# Altium PCB PCB_ControlCard.PcbDoc (part 4 of 4)
Units mm, origin at the board's own origin, x right, y up, seen from the top; angles counter-clockwise.
Board outline 116 x 133 mm, 4 copper layers (Top Layer, Inner 1, Inner 2, Bottom Layer), stack 1.492 mm thick; 342 components, 234 nets, 1133 pads, 996 vias.
Unrouted connection lines stored in the file: 23.
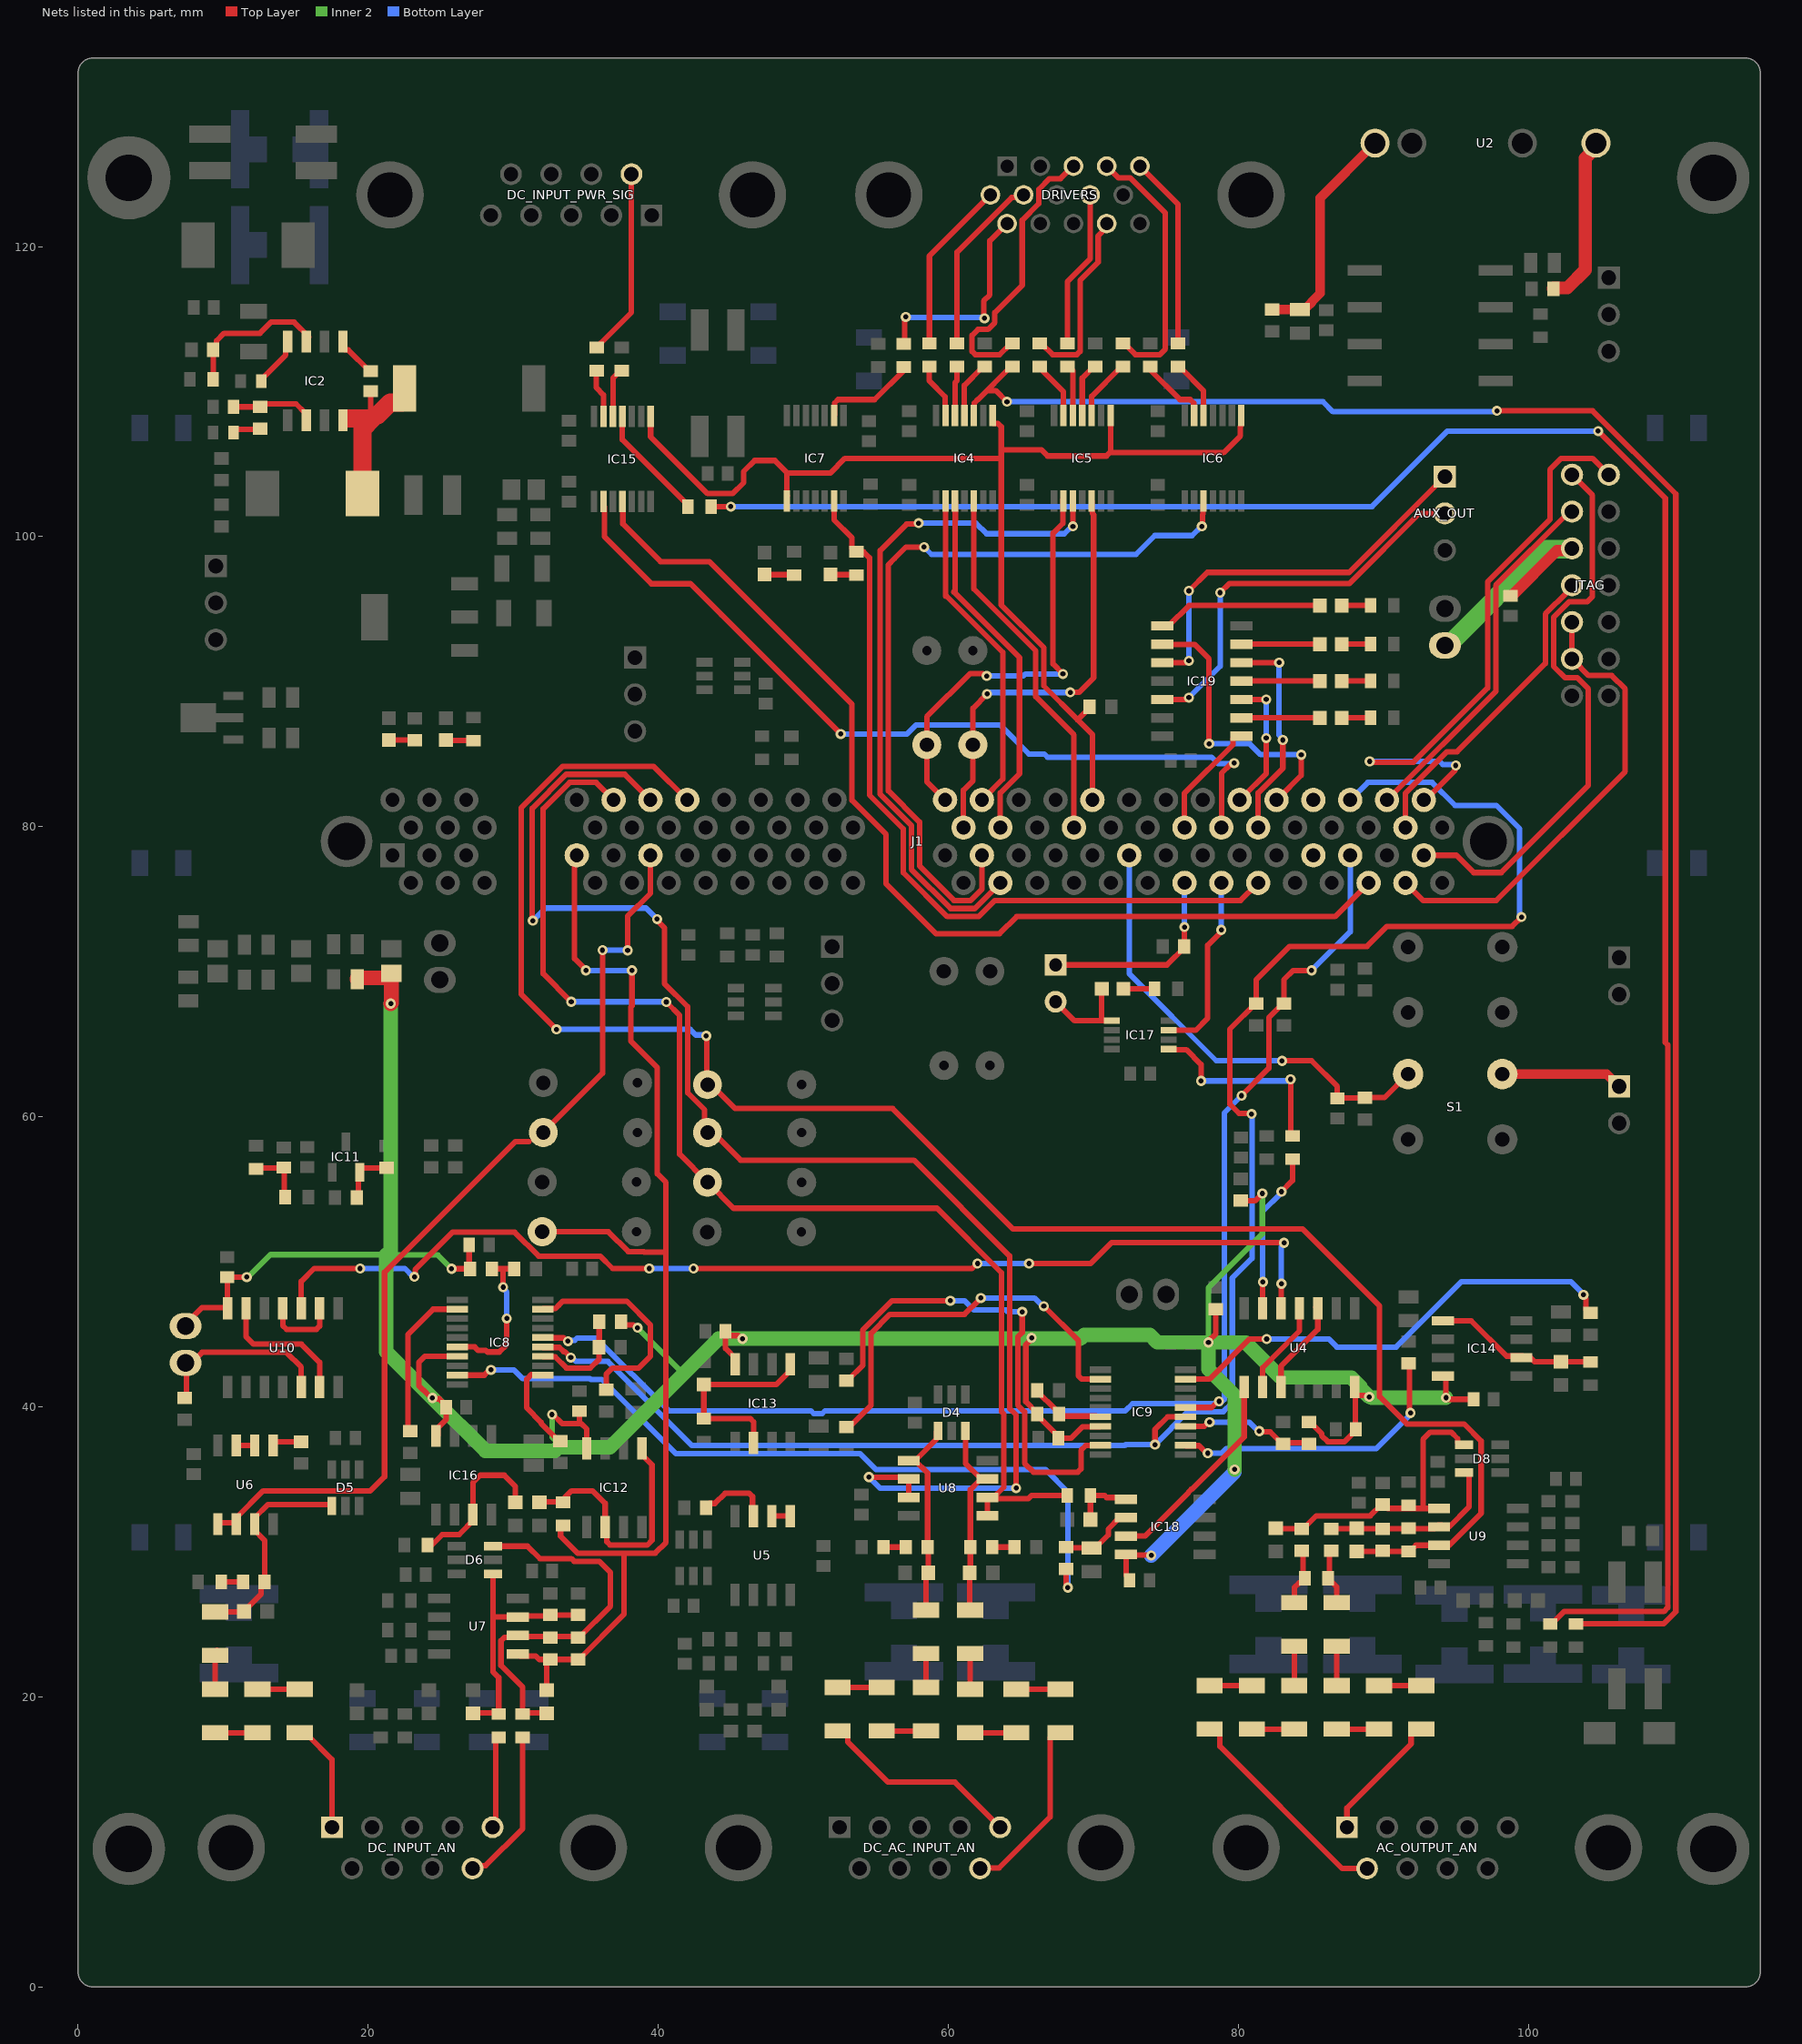
[diagram p6: the nets of this part, all layers, seen from the top]

## Via types
v1: diameter 0.75, hole 0.35, Top Layer to Bottom Layer, tented top, 338 vias
v2: diameter 0.7, hole 0.35, Top Layer to Bottom Layer, tented top, 333 vias
v3: diameter 0.7, hole 0.35, Top Layer to Bottom Layer, tented both sides, 325 vias

## Nets (pads, with @x,y where several pads share a name; then routed paths per layer and width w, separated by ;. In a path a pad name is that pad's centre, name@x,y a point inside that pad or via, vN(x,y) a via of type N, cw(c..) or ccw(c..) an arc to the next point about the centre after c; other vN are vias at no path point) (continued)
IL1: C23.2 J1.7 R31.1 R33.1 R48.1 TP_IL1.1 U7.1 | length 85
  Top Layer w0.381: U7.1@30.318,22.955 30.453,22.821 31.551,22.821 31.797,22.574 R31.1@32.528,22.574 ; TP_IL1.1@32,52.07 36.565,52.07 37.933,50.702 39.008,50.702 39.036,50.673 40.532,50.673 ; C23.2@32.305,20.58 32.305,22.351 R31.1@32.528,22.574 ; R48.1@33.267,31.848 33.267,31.074 34.438,29.903 37.639,29.903 ; J1.7@34.384,78.029 34.235,77.88 34.235,70.904 35.02,70.12 v2(35.02,70.088) ; R33.1@34.464,22.574 R31.1@32.528,22.574 ; R33.1@34.464,22.586 34.539,22.586 37.639,25.686 37.639,29.903 ; v2(38.195,70.088) 38.195,67.644 38.119,67.568 38.119,65.211 39.944,63.386 39.944,56.06 40.532,55.472 40.532,50.673 ; 37.639,29.903 39.793,29.903 40.532,30.642 40.532,50.673
  Bottom Layer w0.381: v2(35.02,70.088) v2(38.195,70.088)
IL1+_AO+: C26.2 D6.1 R34.1 R35.1 R36.1 U7.3 | length 17.7
  Top Layer w0.381: C26.2@27.098,18.891 28.914,18.891 R34.1@29.003,18.802 29.003,21.328 28.602,21.729 28.602,25.495 28.602,25.642 ; D6.1@28.602,28.482 28.602,25.642 ; R35.1@32.559,25.565 30.388,25.565 U7.3@30.318,25.495 28.749,25.495 28.602,25.642 ; R35.1@32.559,25.634 R36.1@34.464,25.634
IL1+_SNS: DC_INPUT_AN.5 R34.2 | length 6.6
  Top Layer w0.381: DC_INPUT_AN.5@28.58,11 28.792,11.212 28.792,17.029 R34.2@29.13,17.367
IL1-_AO-: C23.1 D6.3 R31.2 R32.1 R33.2 U7.2 | length 27.1
  Top Layer w0.381: D6.3@28.749,30.448 28.815,30.382 30.991,30.382 31.84,29.533 34.017,29.533 34.206,29.345 35.936,29.345 36.706,28.574 36.706,26.253 34.539,24.086 R33.2@34.464,24.086 ; U7.2@30.146,24.352 29.884,24.091 29.384,24.091 29.161,23.867 29.161,22.159 30.654,20.666 R32.1@30.654,18.802 30.743,18.891 C23.1@32.432,18.891 ; U7.2@30.318,24.225 30.388,24.156 32.559,24.156 R33.2@34.464,24.156
IL1-_SNS: DC_INPUT_AN.9 R32.2 | length 10.9
  Top Layer w0.381: DC_INPUT_AN.9@27.195,8.16 27.391,8.356 28.106,8.356 30.654,10.904 R32.2@30.654,17.202
INT_3V3: C19.1 C24.1 C27.1 C34.1 C46.2 C56.1 C59.1 C60.1 C74.1 C79.2 IC8.17 IC9.17 IC12.8 IC13.8 IC14.8 IC16.8 IC18.8 J_INT.1 L5.2 R61.1 R69.1 R70.1 R71.1 R72.1 R74.1 U4.14 U10.14 | length 219.6
  Top Layer w0.381: J_INT.1@7.413,45.561 7.413,45.71 8.55,46.847 10.293,46.847 10.293,46.794 U10.14@10.306,46.781 10.306,47.219 10.293,47.231 10.293,48.892 10.341,48.939 10.347,48.932 11.623,48.932 v2(11.629,48.939) ; IC16.8@24.784,37.986 24.82,38.022 24.82,38.558 25.391,39.13 25.391,39.778 C24.1@25.574,39.961 ; C24.1@25.392,39.973 25.392,40.063 24.908,40.547 24.492,40.547 v2(24.431,40.608) 24.345,40.608 23.791,41.161 23.776,41.161 23.507,41.431 23.507,43.081 23.901,43.475 IC8.17@26.164,43.475 ; v2(25.749,49.514) R70.1@26.892,49.514 ; R70.1@26.964,49.581 C59.1@26.964,51.165 ; v2(32.686,39.465) 32.751,39.465 33.37,38.846 34.69,38.846 35.071,38.465 IC12.8@35.071,37.144 ; 34.563,38.846 C27.1@34.563,39.696 ; R69.1@37.446,45.856 37.669,45.633 v2@38.307,45.633 ; C34.1@44.651,45.212 C34.1@44.651,45.122 ; IC13.8@45.358,42.926 45.358,43.322 44.651,44.029 C34.1@44.651,45.122 ; 45.509,44.907 44.866,44.907 C34.1@44.651,45.122 ; v2(65.75,44.75) 65.75,44.664 65.354,44.267 65.354,40.349 66.147,39.556 R72.1@66.147,39.481 66.147,39.406 67.373,38.18 67.373,38.135 C60.1@67.632,37.875 ; C60.1@67.587,37.83 68.469,37.83 69.254,38.614 70.453,38.614 IC9.17@70.487,38.649 ; IC18.8@72.265,29.75 72.265,28.369 72.564,28.07 C46.2@72.564,28.035 ; IC18.8@72.5,29.75 72.532,29.782 73.968,29.782 v2(74,29.75) ; v2(77.946,44.434) 77.946,44.52 78.454,45.028 R74.1@78.454,46.732 ; R61.1@80.184,54.197 81.156,54.197 v2(81.664,54.705) ; R71.1@84.883,38.945 84.958,38.945 85.751,38.152 85.751,38.01 86.175,37.586 87.34,37.586 C56.1@88.076,38.322 ; U4.14@88.03,41.357 88.03,40.919 U4.14@88.072,40.878 ; C56.1@88.113,38.449 88.072,38.491 U4.14@88.072,40.878 ; v2(89.032,40.676) 88.946,40.676 88.837,40.785 88.165,40.785 U4.14@88.072,40.878 ; IC14.8@94.3,42.112 94.329,42.083 v2(94.329,40.624) 94.415,40.624 94.526,40.513 C19.1@96.23,40.513
  Top Layer w1.016: C79.2@19.247,69.472 19.247,69.527 19.3,69.58 L5.2@21.602,69.58 ; v2(21.558,67.802) 21.602,67.846 L5.2@21.602,69.58 ; L5.2@21.685,69.58 L5.2@21.602,69.58
  Inner 2 w0.381: v2(11.629,48.939) 11.716,48.939 13.265,50.489 21.558,50.489 ; 21.815,50.463 24.8,50.463 v2(25.749,49.514) ; v2(32.686,39.465) 32.686,37.905 33.016,37.575 33.016,37.548 33.115,37.449 ; v2(38.576,45.45) 41.497,42.529 41.497,41.894 ; v2(77.946,44.434) 77.946,48.201 81.664,51.919 v2(81.664,54.705) v2@81.664,54.721
  Inner 2 w1: 21.25,50.489 21.25,43.789 v2(24.431,40.608) 28.082,36.957 32.877,36.957 33.115,37.195 36.671,37.195 44.168,44.692 69.117,44.692 69.378,44.954 73.91,44.954 74.43,44.434 v2(77.946,44.434) ; 21.558,50.489 v2(21.558,67.802) ; v2(79.75,35.678) 79.75,40.782 77.946,42.586 v2(77.946,44.434) ; v2@89.046,40.676 88.417,41.305 88.417,41.392 87.788,42.021 82.928,42.021 80.515,44.434 v2(77.946,44.434) ; v2@89.217,40.624 v2(94.329,40.624)
  Bottom Layer w1: v2(74,29.75) 79.75,35.5 v2(79.75,35.678)
  other v2: 45.815,44.688
LED_1: IC19.1 J1.86 | length 7.9
  Top Layer w0.381: J1.86@76.346,80.264 76.294,80.316 76.294,82.313 79.641,85.66 79.641,86.098 79.775,86.233 IC19.1@80.214,86.233
LED_2: IC19.3 J1.89 | length 9.4
  Top Layer w0.381: J1.89@80.029,82.042 80.302,82.042 81.934,83.674 v2(81.934,86.106) ; IC19.3@80.214,88.773 v2(81.934,88.773)
  Bottom Layer w0.381: v2(81.934,86.106) v2(81.934,88.773)
LED_3: IC19.5 J1.90 | length 14.7
  Top Layer w0.381: IC19.5@80.214,91.313 v2(82.823,91.313) ; J1.90@81.426,80.01 81.374,80.062 81.374,82.324 83.077,84.026 v2(83.077,85.979)
  Bottom Layer w0.381: v2(82.823,91.313) 82.823,86.319 83.077,86.065 v2(83.077,85.979)
LED_4: IC19.9 J1.91 | length 19.8
  Top Layer w0.381: IC19.9@74.764,92.583 74.778,92.569 76.995,92.569 77.992,91.573 v2(77.992,85.718) ; J1.91@82.823,81.915 82.823,82.023 84.347,83.547 v2(84.347,84.963)
  Bottom Layer w0.381: v2(77.992,85.718) 80.792,85.718 81.547,84.963 v2(84.347,84.963)
LED_Y_1: IC19.2 LED1.2 | length 5.3
  Top Layer w0.381: IC19.2@80.214,87.503 LED1.2@85.49,87.503
LED_Y_2: IC19.4 LED2.2 | length 5.6
  Top Layer w0.381: IC19.4@80.214,90.043 85.617,90.043 LED2.2@85.744,90.17
LED_Y_3: IC19.6 LED3.2 | length 5.3
  Top Layer w0.381: IC19.6@80.214,92.583 LED3.2@85.49,92.583
LED_Y_4: IC19.8 LED4.2 | length 11.4
  Top Layer w0.381: IC19.8@74.822,93.853 75.214,93.853 76.611,95.25 LED4.2@85.629,95.25
LS1: IC5.2 J1.73 TP_LS1.1 | length 29.5
  Top Layer w0.381: J1.73@59.709,82.042 59.586,82.042 58.529,83.099 TP_LS1.1@58.529,85.649 58.529,87.584 61.515,90.57 62.394,90.57 62.572,90.392 v2(62.658,90.392) ; v2(67.913,90.535) 67.227,91.221 67.227,100.232 67.911,100.916 67.911,102.598 IC5.2@67.913,102.6
  Bottom Layer w0.381: v2(62.658,90.392) 65.183,90.392 65.326,90.535 v2(67.913,90.535)
LS2: IC5.5 J1.74 TP_LS2.1 | length 29.8
  Top Layer w0.381: J1.74@61.106,80.137 61.054,80.189 61.054,82.517 61.704,83.167 TP_LS2.1@61.704,85.649 61.704,88.171 v2(62.683,89.15) ; v2(68.421,89.265) 69.024,89.265 70.028,90.269 70.028,101.508 69.952,101.585 69.952,101.725 69.93,101.747 69.93,102.44 IC5.5@69.895,102.475
  Bottom Layer w0.381: v2(62.683,89.15) 62.77,89.15 62.877,89.257 68.274,89.257 68.282,89.265 v2(68.421,89.265)
LS_1_5V: DRIVERS.14 R47.2 | length 12.7
  Top Layer w0.381: R47.2@66.324,113.325 66.424,113.325 67.193,112.556 68.882,112.556 69.098,112.772 69.098,117.68 70.343,118.926 70.343,120.743 70.913,121.313 DRIVERS.14@70.913,121.507
LS_2_5V: DRIVERS.4 R51.2 | length 18.3
  Top Layer w0.381: DRIVERS.4@70.929,125.551 71.73,124.75 72.545,124.75 74.981,122.314 74.981,112.941 74.597,112.556 72.908,112.556 72.085,113.379 R51.2@71.929,113.379
LVL_OE: IC4.8 IC5.8 IC6.8 IC7.8 IC15.8 J1.81 R60.2 | length 83.1
  Top Layer w0.381: IC15.8@39.479,108.297 39.479,106.888 43.402,102.965 45.132,102.965 45.894,103.727 45.894,104.489 46.656,105.251 48.053,105.251 48.92,104.384 ; IC7.8@48.888,102.803 48.88,102.811 48.88,104.384 48.92,104.384 ; 48.942,104.362 48.92,104.384 ; 48.942,104.384 51.866,104.384 52.878,105.395 63.661,105.395 ; IC4.8@63.067,108.351 63.067,107.838 63.102,107.804 63.437,107.804 63.661,107.581 63.661,105.997 ; R60.2@69.754,88.265 69.754,88.19 68.933,87.369 ; J1.81@69.944,81.844 69.944,86.357 68.933,87.369 ; IC5.8@71.195,108.351 71.195,105.847 71.139,105.791 ; IC6.8@80.212,108.351 80.178,108.316 80.178,107.623 80.155,107.601 80.155,106.954 78.993,105.791 71.139,105.791 ; 63.661,105.395 63.661,105.997 ; 63.661,105.395 63.661,95.289 66.592,92.357 66.592,89.709 68.933,87.369 ; 63.661,105.997 66.421,105.997 66.853,105.565 70.913,105.565 71.139,105.791
Net3V3_ON_1: 3V3_ON.1 R113.2 | length 1.9
  Top Layer w0.381: 3V3_ON.1@25.368,85.975 25.393,85.95 27.26,85.95 R113.2@27.273,85.963
Net5V_ON_1: 5V_ON.1 R112.2 | length 2
  Top Layer w0.381: 5V_ON.1@21.431,85.975 R112.2@23.209,85.975 23.221,85.975 R112.2@23.336,86.09
NetAUX_OUT_1: AUX_OUT.1 IC19.10 | length 27.5
  Top Layer w0.381: IC19.10@74.764,91.313 76.387,91.313 76.514,91.44 v2(76.6,91.44) ; v2(76.6,96.266) 77.87,97.536 87.649,97.536 93.999,103.886 AUX_OUT.1@93.999,104.14
  Bottom Layer w0.381: v2(76.6,91.44) v2(76.6,96.266)
NetAUX_OUT_2: AUX_OUT.2 IC19.12 | length 27.7
  Top Layer w0.381: IC19.12@74.764,88.773 76.387,88.773 76.514,88.9 v2(76.6,88.9) ; v2(78.759,96.139) 79.394,96.774 87.677,96.774 92.503,101.6 93.999,101.6 AUX_OUT.2@94.126,101.473
  Bottom Layer w0.381: v2(76.6,88.9) 78.759,91.059 v2(78.759,96.139)
NetC3_1: C3.1 IC2.1 | length 3.1
  Top Layer w0.381: IC2.1@18.193,113.522 18.193,113.083 18.399,112.877 18.63,112.877 20.08,111.427 C3.1@20.17,111.427
NetC3_2: C3.2 D3.1 IC2.8 L2.1 | length 11.2
  Top Layer w0.381: 20.17,108.768 C3.2@20.17,110.047
  Top Layer w1.27: IC2.8@18.575,108.153 20.317,108.153 ; D3.1@19.611,102.981 19.611,107.447 20.317,108.153 ; 20.606,108.442 20.317,108.153 ; 20.667,108.381 21.541,109.255 22.341,109.255 L2.1@22.506,109.42
NetC11_1: C11.1 IC2.4 | length 3.7
  Top Layer w0.381: C11.1@12.625,110.737 12.625,110.842 14.32,112.538 14.32,113.459 IC2.4@14.51,113.649
NetC12_1: C12.1 IC2.6 R40.2 | length 5.4
  Top Layer w0.381: C12.1@10.71,108.959 10.716,108.953 R40.2@12.354,108.953 ; R40.2@12.55,108.947 12.759,109.156 15.031,109.156 15.653,108.534 IC2.6@15.653,108.188
NetC13_1: C13.1 R40.1 | length 1.8
  Top Layer w0.381: C13.1@10.72,107.181 10.72,107.223 10.894,107.397 R40.1@12.45,107.397
NetC31_1: C31.1 JTAG.5 JTAG_3V3.2 | length 17.2
  Top Layer w0.762: C31.1@98.774,95.924 98.864,95.924 101.98,99.04 102.961,99.04 JTAG.5@103.092,99.171
  Inner 2 w1.27: JTAG_3V3.2@94.25,92.5 94.45,92.5 101.087,99.137 102.896,99.137 103,99.241 JTAG.5@103,99.25
NetC41_1: C41.1 R2.2 U2.1 | length 15.7
  Top Layer w0.635: R2.2@82.34,115.669 82.343,115.666 84.245,115.666 C41.1@84.245,115.663 84.383,115.8 84.712,115.8 85.084,116.172 85.084,116.219 85.645,116.78 85.645,123.348 89.306,127.009 U2.1@89.503,127.009
NetC44_1: C44.1 IC16.3 R38.2 | length 10.9
  Top Layer w0.381: R38.2@24.088,30.167 25.104,31.183 26.284,31.183 27.352,32.252 IC16.3@27.352,32.48 ; IC16.3@27.225,32.734 27.225,34.766 27.733,35.274 29.384,35.274 30.146,34.512 C44.1@30.146,33.407
NetC45_1: C45.1 IC12.2 IC12.5 R48.2 | length 18
  Top Layer w0.381: C45.1@31.797,33.407 31.838,33.448 33.367,33.448 33.576,33.658 33.576,33.758 34.025,34.207 35.478,34.207 36.341,33.343 IC12.2@36.341,31.705 36.455,31.591 36.455,30.685 36.678,30.462 39.247,30.462 39.574,30.79 39.574,35.998 38.881,36.692 IC12.5@38.881,37.129
NetC50_1: C50.1 IC13.2 IC13.5 R41.2 | length 13.9
  Top Layer w0.381: R41.2@43.072,38.989 43.147,39.064 R41.2@43.147,39.189 C50.1@43.147,41.526 ; C50.1@43.323,41.526 48.143,41.526 49.116,42.499 IC13.5@49.116,42.936 ; R41.2@43.453,39.185 46.353,39.185 46.576,38.962 IC13.2@46.576,37.512
NetC51_1: C51.1 IC14.2 IC14.5 R53.2 | length 10.8
  Top Layer w0.381: IC14.5@94.559,45.922 96.079,45.922 98.509,43.492 99.614,43.492 IC14.2@99.724,43.382 ; IC14.2@99.841,43.434 100.11,43.434 100.453,43.091 C51.1@102.254,43.091 R53.2@104.286,43.091
NetC81_1: C81.1 R84.2 R85.1 | length 4
  Top Layer w0.381: R84.2@12.272,56.395 12.327,56.45 14.016,56.45 C81.1@14.065,56.499 ; R85.1@14.192,54.34 14.208,54.356 C81.1@14.208,56.474
NetC90_1: C90.1 IC18.5 R42.2 | length 4
  Top Layer w0.381: C90.1@69.808,32.226 R42.2@69.808,33.712 ; R42.2@69.897,33.877 70.795,33.877 70.931,33.742 72.146,33.742 IC18.5@72.265,33.623
NetFLT_1: FLT.1 R134.2 | length 2.2
  Top Layer w0.381: FLT.1@47.339,97.405 47.364,97.38 49.384,97.38 R134.2@49.498,97.266
NetHW_TZ_1: HW_TZ.1 R119.2 | length 2
  Top Layer w0.381: HW_TZ.1@72.092,68.818 R119.2@74.136,68.818
NetHW_TZ_2: HW_TZ.2 IC17.5 J2.2 | length 6.5
  Top Layer w0.381: J2.2@67.405,67.929 68.716,66.618 70.633,66.618 ; HW_TZ.2@70.58,68.691 70.58,66.671 70.633,66.618 ; IC17.5@71.297,66.618 70.633,66.618
NetIC2_3: IC2.3 R1.1 R39.2 | length 10.1
  Top Layer w0.381: R39.2@9.303,110.855 9.309,110.861 R1.1@9.309,112.88 ; R1.1@9.316,112.88 9.55,113.115 9.55,113.515 10.065,114.03 12.536,114.03 13.298,114.792 14.891,114.792 IC2.3@15.907,113.776
NetIC4_11: IC4.11 R45.1 | length 4
  Top Layer w0.381: IC4.11@61.117,108.351 61.117,110.428 62.322,111.633 R45.1@62.503,111.633
NetIC4_12: IC4.12 R44.1 | length 3.5
  Top Layer w0.381: IC4.12@60.467,108.351 60.467,110.622 60.598,110.753 R44.1@60.598,111.76
NetIC4_13: IC4.13 R43.1 | length 3.7
  Top Layer w0.381: R43.1@58.693,111.633 58.693,110.751 59.785,109.66 59.785,108.383 IC4.13@59.817,108.351
NetIC5_10: IC5.10 R51.1 | length 4.3
  Top Layer w0.381: IC5.10@69.895,108.351 69.895,109.681 71.847,111.633 R51.1@72.028,111.633
NetIC5_11: IC5.11 R50.1 | length 3.8
  Top Layer w0.381: IC5.11@69.245,108.351 69.245,110.936 70.069,111.76 R50.1@70.123,111.76
NetIC5_12: IC5.12 R49.1 | length 3.6
  Top Layer w0.381: R49.1@68.218,111.633 68.421,111.633 68.595,111.459 IC5.12@68.595,108.351
NetIC5_13: IC5.13 R47.1 | length 3.8
  Top Layer w0.381: R47.1@66.44,111.506 67.945,110.001 IC5.13@67.945,108.351
NetIC6_12: IC6.12 R57.1 | length 4.1
  Top Layer w0.381: R57.1@75.838,111.633 76.041,111.633 77.612,110.062 IC6.12@77.612,108.351
NetIC6_13: IC6.13 R56.1 | length 4.8
  Top Layer w0.381: R56.1@73.933,111.506 75.982,109.457 76.69,109.457 76.928,109.219 76.928,108.385 IC6.13@76.962,108.351
NetIC8_4: IC8.4 R69.2 R77.1 | length 7
  Top Layer w0.381: IC8.4@32.04,43.475 32.075,43.44 32.908,43.44 33.676,42.672 35.325,42.672 35.908,43.255 35.908,44.017 R77.1@35.957,44.066 ; R77.1@35.92,44.104 35.933,44.117 R69.2@35.933,45.874
NetIC8_16: IC8.16 R70.2 R78.1 | length 10.7
  Top Layer w0.381: IC8.16@26.164,44.125 27.34,44.125 27.583,43.882 28.116,43.882 28.223,43.776 29.043,43.776 29.559,44.291 v2(29.559,46.085) ; R70.2@28.531,49.514 29.305,49.514 ; v2(29.305,48.244) 29.305,49.514 ; R78.1@30.194,49.514 R78.1@30.079,49.514 29.305,49.514
  Bottom Layer w0.381: v2(29.305,48.244) 29.305,48.158 29.559,47.904 v2(29.559,46.085)
NetIC9_4: IC9.4 R71.2 R79.1 | length 9.1
  Top Layer w0.381: IC9.4@76.363,38.649 77.651,38.649 77.939,38.937 v2(78.025,38.937) ; v2(81.454,38.322) 81.515,38.261 82.214,38.261 82.956,37.519 R71.2@84.797,37.519
  Bottom Layer w0.381: v2(78.025,38.937) 80.766,38.937 81.381,38.322 v2(81.454,38.322)
NetIC9_16: IC9.16 R72.2 R80.1 | length 4.9
  Top Layer w0.381: R80.1@66.147,41.132 66.147,41.057 67.413,39.791 67.413,39.663 R72.2@67.763,39.313 ; R72.2@67.774,39.354 IC9.16@70.199,39.354
NetIC11_2: IC11.2 R86.2 R87.1 | length 3.7
  Top Layer w0.381: R86.2@19.272,54.34 19.319,54.387 19.319,56.071 IC11.2@19.419,56.171 ; IC11.2@19.526,56.372 19.526,56.468 19.529,56.471 R87.1@21.263,56.471
NetIC15_11: IC15.11 R104.1 | length 7.9
  Top Layer w0.381: IC15.11@37.529,108.297 37.529,106.693 41.957,102.265 R104.1@41.957,102.203
NetIC15_12: IC15.12 R103.1 | length 3.5
  Top Layer w0.381: IC15.12@36.879,108.297 36.879,110.929 37.424,111.474 R103.1@37.512,111.474
NetIC15_13: IC15.13 R102.1 | length 3.3
  Top Layer w0.381: R102.1@35.734,111.347 35.734,110.273 36.229,109.777 IC15.13@36.229,108.297
NetIC17_1: IC17.1 R118.2 | length 13.9
  Top Layer w0.381: IC17.1@74.988,64.627 76.422,64.627 77.438,63.611 v2(77.438,62.468) ; R118.2@83.613,58.904 v2(83.613,62.579)
  Bottom Layer w0.381: v2(77.438,62.468) 83.416,62.468 83.527,62.579 v2(83.613,62.579)
NetJ_INT_2: J_INT.2 R83.1 U10.5 | length 12.6
  Top Layer w0.381: J_INT.2@7.286,42.726 J_INT.2@7.286,43.021 ; J_INT.2@7.413,43.021 7.811,43.021 8.546,43.755 14.363,43.755 15.386,42.732 U10.5@15.386,41.357 ; R83.1@7.461,40.484 J_INT.2@7.461,42.742
NetLED1_1: LED1.1 R117.2 | length 2
  Top Layer w0.381: LED1.1@87.129,87.503 88.925,87.503 89.046,87.382 R117.2@89.046,87.376
NetLED2_1: LED2.1 R116.2 | length 2.2
  Top Layer w0.381: LED2.1@87.129,90.043 R116.2@89.135,90.043 R116.2@89.3,90.043
NetLED3_1: LED3.1 R115.2 | length 2.1
  Top Layer w0.381: LED3.1@87.129,92.583 89.046,92.583 R115.2@89.173,92.456
NetLED4_1: LED4.1 R114.2 | length 2
  Top Layer w0.381: LED4.1@87.129,95.25 R114.2@89.135,95.25 R114.2@89.173,95.25
NetR3_1: R3.1 U2.7 | length 11.8
  Top Layer w0.889: R3.1@101.734,117.094 101.734,117.13 101.754,117.15 102.691,117.15 103.933,118.392 103.933,126.095 104.674,126.836 U2.7@104.674,127.137
NetR12_1: R12.1 R89.1 | length 1.5
  Top Layer w0.381: R12.1@63.027,30.321 R89.1@64.563,30.321
NetR13_1: R13.1 R108.1 | length 1.5
  Top Layer w0.381: R108.1@55.534,30.321 56.847,30.321 56.943,30.225 R13.1@56.943,30.194
NetR20_2: R20.2 R22.2 R130.1 | length 3.6
  Top Layer w0.381: R22.2@86.191,28.162 86.299,28.27 86.299,29.921 R20.2@86.28,29.94 ; R22.2@86.28,27.973 86.401,27.852 86.519,27.852 86.788,27.584 R130.1@86.788,26.487
NetR22_1: R22.1 R23.2 R129.1 | length 4
  Top Layer w0.381: R129.1@83.867,26.487 83.867,27.527 84.192,27.852 84.381,27.852 R22.1@84.629,28.1 ; R23.2@84.375,30.067 84.483,29.959 84.483,28.27 R22.1@84.591,28.162
NetR28_1: R28.1 R101.2 | length 1.5
  Top Layer w0.381: R101.2@9.826,27.908 R101.2@9.864,27.908 R28.1@11.362,27.908 ; R28.1@11.356,27.902 R28.1@11.362,27.896
NetR88_1: R88.1 R90.2 | length 3.1
  Top Layer w0.381: R90.2@64.69,20.518 67.587,20.518 R88.1@67.738,20.669
NetR90_1: R90.1 R91.2 | length 3.1
  Top Layer w0.381: R91.2@61.642,17.494 61.666,17.518 R90.1@64.69,17.518
NetR91_1: R91.1 R92.2 | length 2.5
  Top Layer w0.381: R92.2@61.261,22.955 61.515,22.701 R91.1@61.515,20.518
NetR93_1: R93.1 R94.2 | length 3.1
  Top Layer w0.381: R93.1@55.419,17.645 58.364,17.645 R94.2@58.467,17.748
NetR93_2: R93.2 R96.1 | length 2.9
  Top Layer w0.381: R96.1@52.371,20.645 55.268,20.645 R93.2@55.292,20.669
NetR94_1: R94.1 R95.2 | length 2.3
  Top Layer w0.381: R94.1@58.467,20.645 R95.2@58.467,22.955
NetR97_1: R97.1 R98.2 | length 3.1
  Top Layer w0.381: R98.2@12.366,20.415 12.469,20.518 15.184,20.518 15.287,20.415 R97.1@15.287,20.518
NetR98_1: R98.1 R99.2 | length 3
  Top Layer w0.381: R99.2@9.167,17.518 R99.2@9.191,17.494 ; R99.2@9.445,17.621 9.548,17.518 R98.1@12.366,17.518